# KiCad board matrix-7seg8-x02-x06.kicad_pcb (continued)
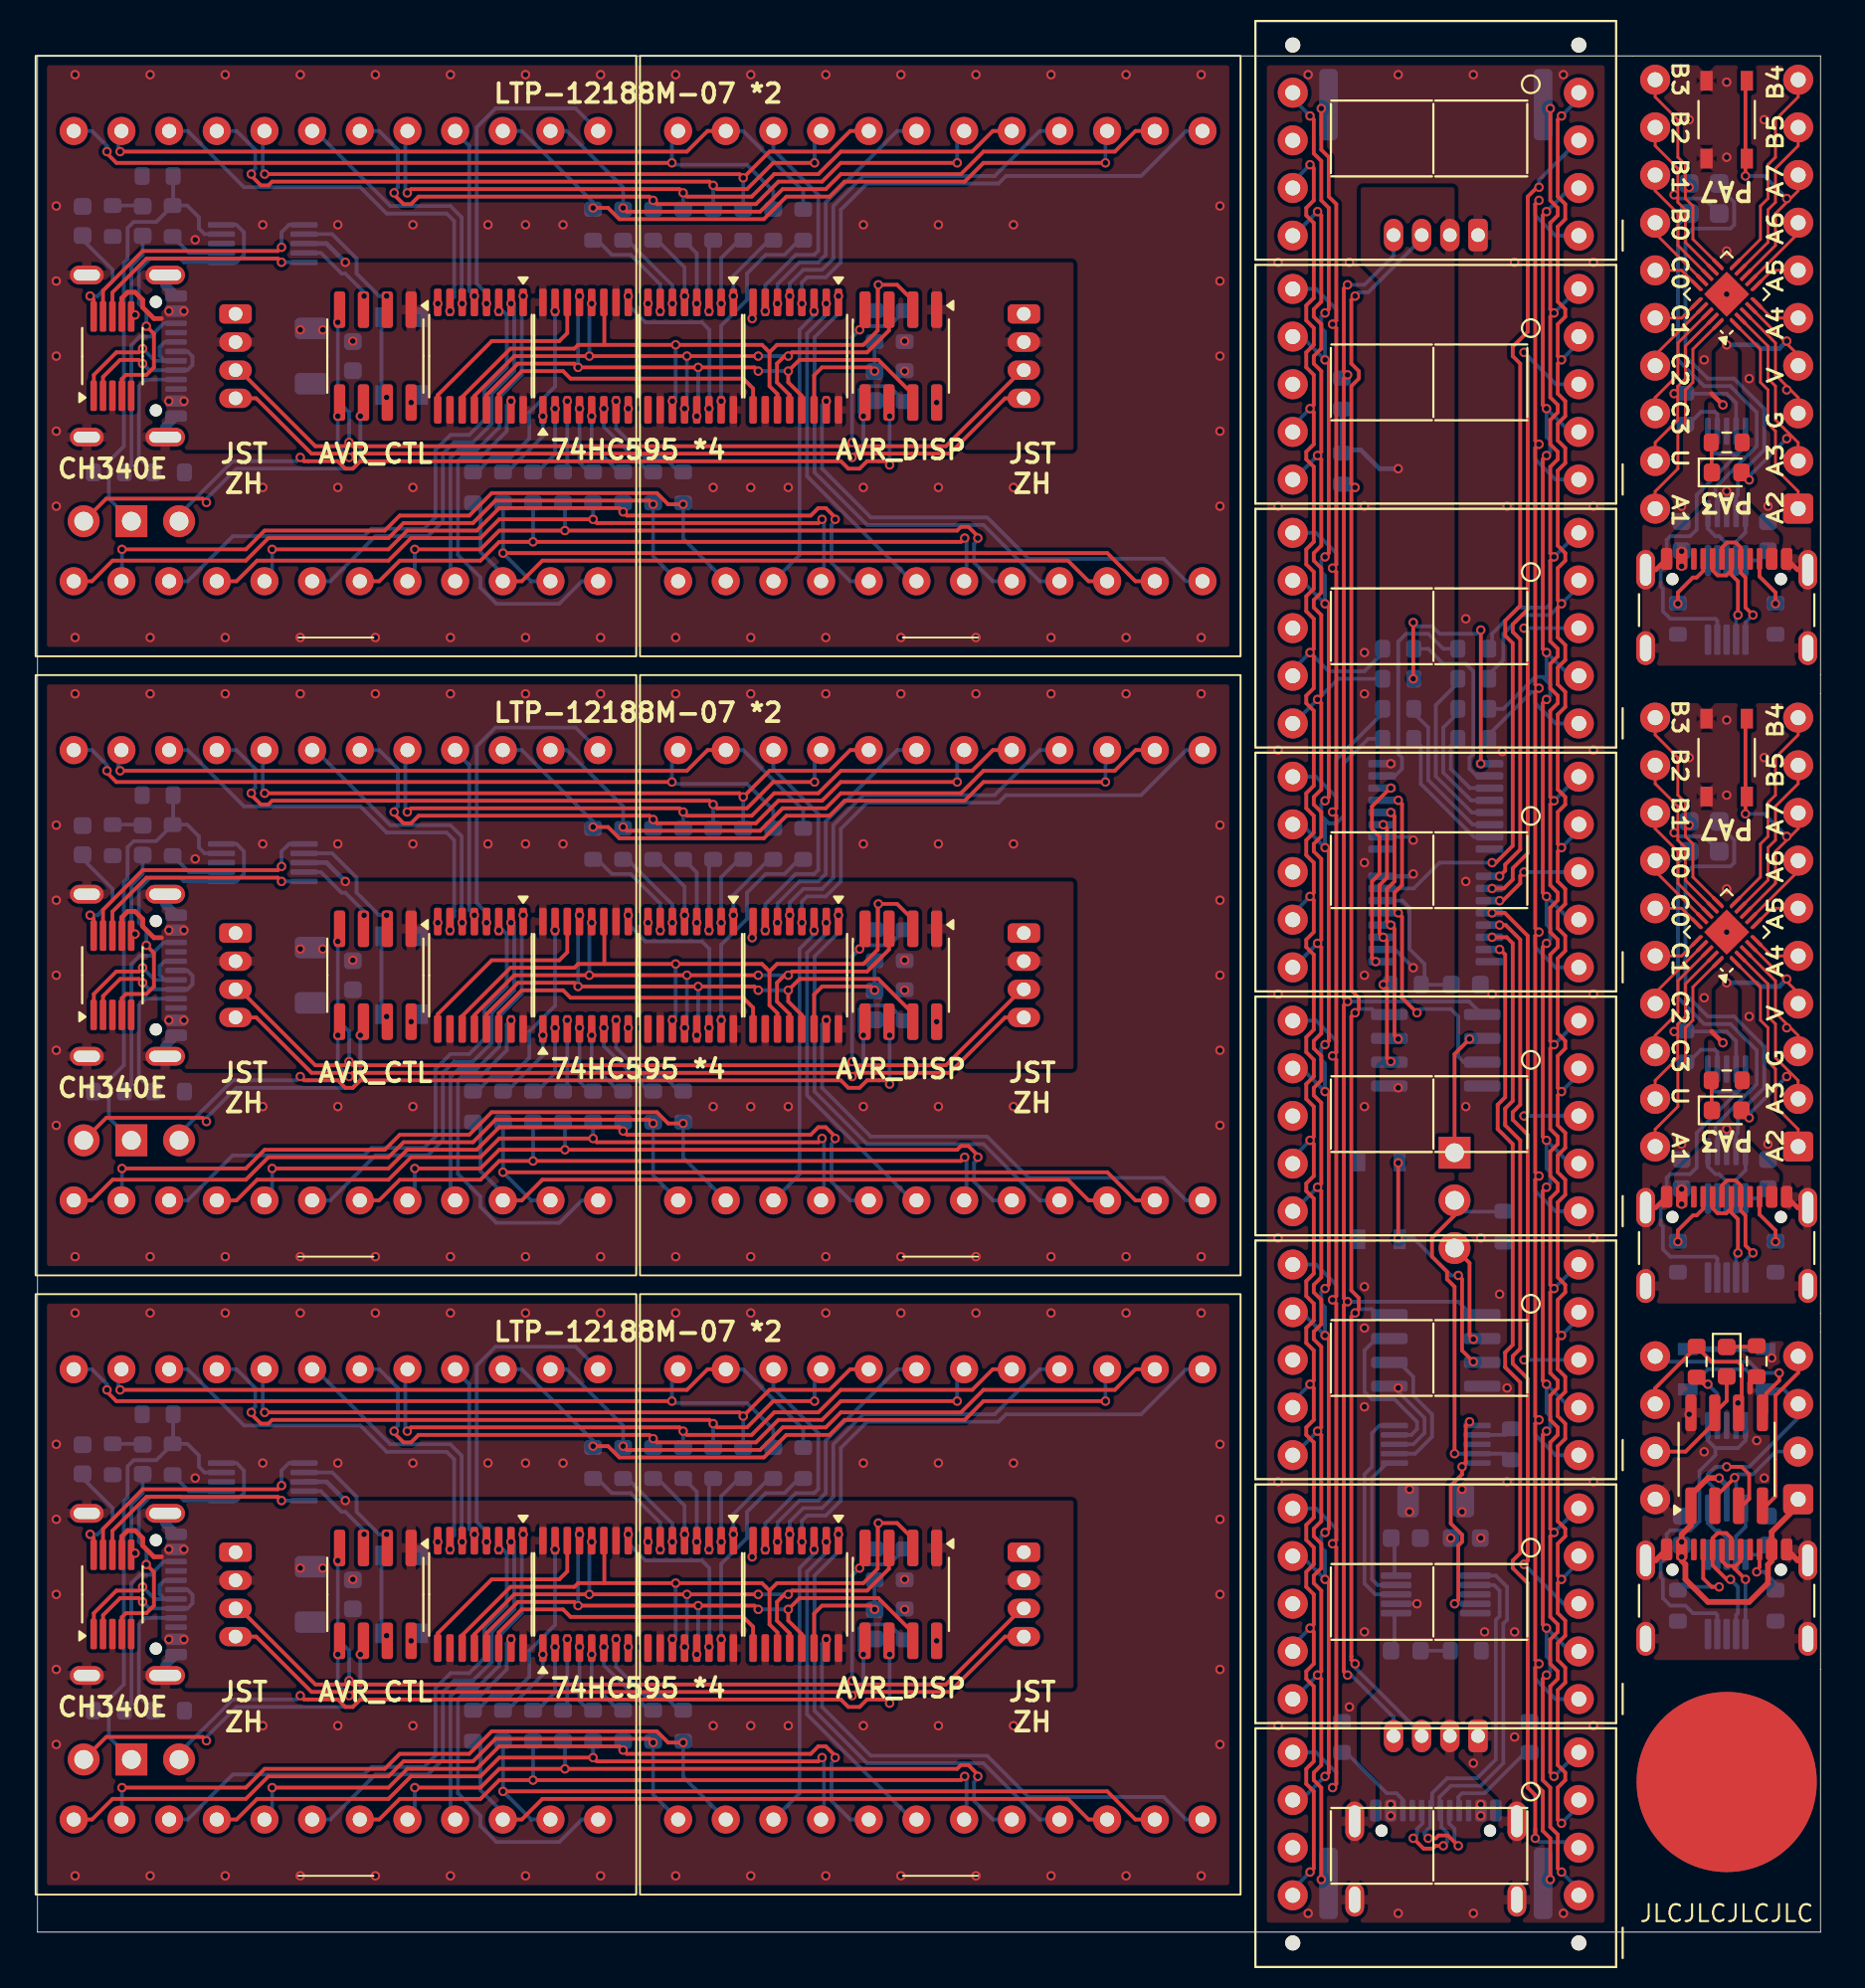
[diagram p0: board, top side]
## Routing (per net, layer and track width the routed paths; a pad name or vN(x,y) marks a point on that pad's centre or on a via; arc(x,y) is an arc through that point) (continued)
  Bottom w0.2: U5#4.5 82.08,35.58 v1(80.8,34.3) ; U9.5 82.08,87.58 v1(80.8,86.3) ; U6#4.5 82.08,48.58 v1(80.8,47.3) ; v1(80.8,8.3) 82.08,9.58 U3#2.5 ; U4.5 82.08,22.58 v1(80.8,21.3) ; U8#3.5 82.08,74.58 v1(80.8,73.3) 80.6,73.1 80.6,70.8 80.4,70.6 78.93,70.6 78.93,70.6 78.9,70.6 77.5,69.2 77.5,68.58 R8.2 ; U7.5 82.08,61.58 v1(80.8,60.3)
OE#: length 18.1
  Top w0.2: v1(72.5,60.33) 72.7,60.12 72.7,55.8 72.3,55.4 72.3,54.53 v1(72.5,54.33) 72.7,54.12 72.7,49.8 v1(73.5,49)
  Bottom w0.2: v1(73.5,49) 73.7,49.2 75.3,49.2 75.7,48.8 75.7,46.67 76,46.36 U11.7
PA1: length 31.1
  Top w0.15: U1#5.20 88.2,84.37 88.2,82.6 87.8,82.2 87.8,80.4 87.4,80 87.4,78 86.19,76.79 J1#2.20 ; U1#2.20 88.2,50.37 88.2,48.6 87.8,48.2 87.8,46.4 87.4,46 87.4,44 86.19,42.79 J1.20
  Top w0.2: J2#2.4 93.81,29.81 92.6,28.6 92.6,23.22 92.11,22.72
PA2: length 31.8
  Top w0.15: U1#5.1 91.8,84.37 91.8,82.6 92.2,82.2 92.2,80.4 92.6,80 92.6,78 93.81,76.79 J1#2.1 ; J1.1 93.81,42.79 92.6,44 92.6,46 92.2,46.4 92.2,48.2 91.8,48.6 91.8,50.37 U1#2.1
  Top w0.2: v1(92.8,29.8) 92.8,29.4 92.11,28.7 92.11,27.67
  Bottom w0.2: J2#2.5 86.48,30.4 91.2,30.4 91.8,29.8 v1(92.8,29.8)
PA3: length 31.4
  Top w0.15: U1#2.2 92.2,50.53 92.2,48.8 92.6,48.4 92.6,46.6 93.81,45.39 J1.2 ; U1#5.2 92.2,84.53 92.2,82.8 92.6,82.4 92.6,80.6 93.81,79.39 J1#2.2
  Top w0.2: J2#2.7 87.81,25.61 89.36,27.17 U1#4.7 90,28.31 D1#5.2 ; D1#3.2 90.8,43.8 v1(91.2,43.4) ; v1(91.2,77.4) 90.8,77.8 D1#2.2
  Bottom w0.2: v1(91.2,77.4) 91.2,77.6 v1(93.2,79.6) ; v1(93.2,45.6) 91.2,43.6 v1(91.2,43.4)
PA4: length 5.1
  Top w0.15: J1.5 92.4,52.03 U1#2.5 ; J1#2.5 92.4,86.03 U1#5.5
PA5: length 5.1
  Top w0.15: J1#2.6 92.4,88.57 U1#5.6 ; U1#2.6 92.4,54.57 J1.6
PA6: length 15.8
  Top w0.15: J1.7 93.81,56.54 U1#2.7 ; U1#5.7 93.81,90.54 J1#2.7
  Top w0.2: v1(90.42,24.22) 89.36,23.17 89.36,22.72
  Bottom w0.2: U3#5.7 90.5,24.15 v1(90.42,24.22) 90.6,24.4 91.4,24.4 92.61,25.61 J2#2.2
PA7: length 47.7
  Top w0.15: U1#5.8 92.6,89.9 92.6,91.6 93.81,92.81 J1#2.8 ; J1.8 93.81,58.81 92.6,57.6 92.6,55.9 U1#2.8
  Top w0.2: SW1#2.1 91,98.6 v1(91,93.6) ; 90.83,22.72 91.2,23.09 91.2,24.4 90.8,24.8 v1(90,24.8) ; SW1.1 91,64.6 v1(91,59.6)
  Bottom w0.2: v1(93.2,92.4) 92,93.6 v1(91,93.6) ; SW1#7.2 89,30 91,30 SW1#7.2 93.03,28.92 J2#2.3 93.81,27.41 91.2,24.8 89.4,24.8 89,24.4 89,24 89.5,23.5 U3#5.9 ; v1(91,59.6) 92,59.6 v1(93.2,58.4)
PB0: length 8.2
  Top w0.15: J1#2.14 86.19,90.54 U1#5.14 ; J1.14 86.19,56.54 U1#2.14
PB1: length 13
  Top w0.15: U1#2.13 87.4,55.9 87.4,57.6 86.19,58.81 J1.13 ; J1#2.13 86.19,92.81 87.4,91.6 87.4,89.9 U1#5.13
PB2: length 23.3
  Top w0.15: J1.12 86.19,61.21 87.4,60 87.4,58.2 87.8,57.8 87.8,56.07 U1#2.12 ; U1#5.12 87.8,90.07 87.8,91.8 87.4,92.2 87.4,94 86.19,95.21 J1#2.12
  Bottom w0.2: JP1#3.4 88.8,92.4 87.4,92.4 v1(87.2,92.6) ; JP1#2.4 88.8,58.4 87.4,58.4 v1(87.2,58.6)
PB3: length 22.5
  Top w0.15: U1#2.11 88.2,56.23 88.2,58 87.8,58.4 87.8,60.2 87.4,60.6 87.4,62.6 86.19,63.81 J1.11 ; U1#5.11 88.2,90.23 88.2,92 87.8,92.4 87.8,94.2 87.4,94.6 87.4,96.6 86.19,97.81 J1#2.11
  vias: v1(88,93) v1(88,59)
PB4: length 22.5
  Top w0.15: U1#5.10 91.8,90.23 91.8,92 92.2,92.4 92.2,94.2 92.6,94.6 92.6,96.6 93.81,97.81 J1#2.10 ; U1#2.10 91.8,56.23 91.8,58 92.2,58.4 92.2,60.2 92.6,60.6 92.6,62.6 93.81,63.81 J1.10
PB5: length 17.7
  Top w0.15: U1#2.9 92.2,56.07 92.2,57.8 92.6,58.2 92.6,60 93.81,61.21 J1.9 ; J1#2.9 93.81,95.21 92.6,94 92.6,92.2 92.2,91.8 92.2,90.07 U1#5.9
PC0: length 5.1
  Top w0.15: J1#2.15 87.6,88.57 U1#5.15 ; J1.15 87.6,54.57 U1#2.15
PC1: length 5.1
  Top w0.15: U1#5.16 87.6,86.03 J1#2.16 ; J1.16 87.6,52.03 U1#2.16
PC2: length 8.2
  Top w0.15: U1#2.17 86.19,50.06 J1.17 ; J1#2.17 86.19,84.06 U1#5.17
PC3: length 13
  Top w0.15: J1#2.18 86.19,81.79 87.4,83 87.4,84.7 U1#5.18 ; U1#2.18 87.4,50.7 87.4,49 86.19,47.79 J1.18
RCLK: length 12.6
  Top w0.2: v1(72.1,59.67) 72.3,59.48 72.3,56 71.9,55.6 71.9,53.88 v1(72.1,53.67) 72.3,53.47 72.3,47.8 v1(72.5,47.6)
RTS#: length 67.4
  Top w0.2: v1(75.5,17.5) 75.7,17.7 75.7,20.6 75.9,20.8 75.9,21.18 75.3,21.78 75.3,23.8 75.9,24.4 v1(75.9,24.8) 76.1,25 76.1,27 v1(76.3,27.2)
  Bottom w0.2: U3#5.1 89,26.2 89.4,25.8 ; U3#5.5 91,26.2 90.6,25.8 89.4,25.8 ; U3#7.1 89,45.2 89.4,44.8 90.6,44.8 ; U2#4.4 89.5,35.9 89.4,36 87,36 86.6,36.4 86.6,37.6 86.48,37.72 86.48,38.6 86.8,38.92 86.8,40.2 87,40.4 88.05,40.4 88.4,40.75 88.4,42.6 90.6,44.8 ; U2#6.4 89.5,69.9 89.4,70 87,70 86.6,70.4 86.6,71.6 86.48,71.72 86.48,72.6 86.8,72.92 86.8,74.2 87,74.4 88.05,74.4 88.4,74.75 88.4,76.6 90.6,78.8 ; v1(75.5,17.5) U12.4 ; 90.6,44.8 91,45.2 U3#7.5 ; 89.4,25.8 89.4,25.42 88.55,24.57 88.55,21.9 88.06,21.41 87,21.41 86.8,21.21 86.8,20 86.48,19.68 86.48,18.92 86.6,18.8 86.6,17.8 87,17.4 87.8,17.4 88.2,17 89.4,17 89.5,16.9 U2#7.4 ; 90.6,78.8 89.4,78.8 89,79.2 U3#6.1 ; 90.6,78.8 91,79.2 U3#6.5
RXD: length 8.1
  Bottom w0.2: U3#6.6 91,74.6 90.5,74.1 U2#6.9 ; U2#7.9 90.5,21.1 91,21.6 U3#5.6 ; U3#7.6 91,40.6 90.5,40.1 U2#4.9
RXD_CTL: length 9
  Bottom w0.2: U13.9 73.2,26.5 73.5,26.8 73.5,27.2 72.3,28.4 71.1,28.4 70.7,28.8 70.7,31 71.33,31.64 U14.3
RXD_USB: length 8.3
  Bottom w0.2: U13.6 71.9,25 71.1,24.2 71.1,18.8 71.4,18.5 U12.9
SCL: length 98.3
  Top w0.2: v1(69.8,13.7) 69.6,13.9 69.6,33.4 v1(69.8,33.6) 69.6,33.8 69.6,49.4 v1(69.8,49.6) 69.6,49.8 69.6,82.8 v1(69.8,83) 69.6,83.2 69.6,87.6 v1(69.8,87.8)
  Bottom w0.2: v1(69.8,33.6) 75.7,33.6 76.39,32.91 U14.5 ; v1(69.8,49.6) 76.28,49.6 U11.5 ; v1(69.8,87.8) 70.7,87.8 72.25,89.35 J2#7.4 ; J3#2.4 72.25,11.45 70,13.7 v1(69.8,13.7)
SDA: length 89.4
  Top w0.2: v1(70.2,14.3) 70,14.5 70,14.7 70,14.7 70,32.8 v1(70.2,33) 70.4,33.2 70.4,33.8 70,34.2 70,48.8 v1(70.2,49) 70.4,49.2 70.4,49.8 70,50.2 70,76.8 v1(70.2,77) 70,77.2 70,82.4 70.4,82.8 70.4,83.2 70,83.6 70,87 v1(70.2,87.2)
  Bottom w0.2: v1(70.2,77) 69.67,77 R14.2 ; v1(70.2,33) 70.4,33.2 71.1,33.2 71.39,32.91 U14.4 ; v1(70.2,14.3) 70.2,14.1 73.75,10.55 J3#2.3 ; J2#7.3 73.75,90.25 70.9,87.4 70.4,87.4 v1(70.2,87.2) ; U11.4 71.39,48.91 71.1,49.2 70.4,49.2 v1(70.2,49)
SER: length 7.9
  Bottom w0.2: U1#7.14 72.72,54.97 73.1,54.6 73.1,52.4 73.9,51.6 73.9,50.8 73.6,50.5 C1#6.1
SRCLK: length 13.3
  Top w0.2: v1(72.1,46.4) 71.9,46.6 71.9,50.3 v1(71.7,50.5) 71.9,50.7 71.9,52.83 v1(71.7,53.03) 71.5,53.22 71.5,55.8 71.9,56.2 71.9,58.83 v1(71.7,59.02)
TXD: length 9.1
  Bottom w0.2: U2#6.8 90,74 89.6,74.4 89.4,74.4 89,74.8 U3#6.10 ; U2#7.8 90,21 89.6,21.4 89.4,21.4 89,21.8 U3#5.10 ; U2#4.8 90,40 89.6,40.4 89.4,40.4 89,40.8 U3#7.10
TXD_CTL: length 7.6
  Bottom w0.2: U13.7 73.4,25.5 74.3,26.4 74.3,27.6 73.3,28.6 73.3,29.6 72.53,30.36 U14.2
TXD_USB: length 11.5
  Bottom w0.2: U12.8 71.28,18 70.7,18.58 70.7,24.4 71.1,24.8 71.1,26.6 71.5,27 U13.10
UPDI: length 131
  Top w0.15: U1#2.19 87.8,50.53 87.8,48.8 87.39,48.39 87.39,46.59 86.19,45.39 J1.19 ; U1#5.19 87.8,84.53 87.8,82.8 87.39,82.39 87.39,80.59 86.19,79.39 J1#2.19
  Top w0.2: J2#2.6 86.19,28.99 88.4,31.2 ; v1(90.6,28.2) 90.8,28.4 90.8,30.2 90.6,30.4 89.2,30.4 88.4,31.2 ; v1(75.5,25.5) 75.5,34.4 75.1,34.8 75.1,35.2 74.3,36 74.3,37 75.5,38.2 JP1#6.2 ; 88.4,31.2 88.4,31.22
  Bottom w0.2: U3#7.4 90.5,47.5 90,48 87.83,48 R5.2 ; R20.2 7.98,26.03 8.6,25.4 8.6,24.8 8.9,24.5 U7#2.4 ; R20.2 7.23,26.05 R24#2.2 ; R20.2 6.33,25.15 5.12,25.15 4.8,24.83 4.8,23.17 4.6,22.97 4.6,13.2 3.8,12.4 3.8,10.4 JP1#5.2 ; R13.2 78.17,25.5 U13.4 v1(75.5,25.5) ; R20#3.2 7.98,92.03 8.6,91.4 8.6,90.8 8.9,90.5 U7#4.4 ; R20#3.2 7.23,92.05 R24.2 ; R20#3.2 6.33,91.15 5.12,91.15 4.8,90.83 4.8,89.17 4.6,88.97 4.6,79.2 3.8,78.4 3.8,76.4 JP1.2 ; R16#2.1 78.08,38.4 76.1,38.4 JP1#6.2 ; v1(90.6,28.2) 90.5,28.1 U3#5.4 ; 87.8,82.03 87.83,82 90,82 90.5,81.5 U3#6.4 ; 7.2,59.02 7.23,59.05 R24#3.2 ; 7.2,59.02 7.98,59.02 8.6,58.4 8.6,57.8 8.9,57.5 U7#3.4 ; 7.2,59.02 6.33,58.15 5.12,58.15 4.8,57.83 4.8,56.17 4.6,55.97 4.6,46.2 3.8,45.4 3.8,43.4 JP1#4.2
  vias: v1(87.2,82) v1(87.2,48)
UPDI_CTL: length 61.5
  Top w0.2: v1(9,10.2) 8.8,10.4 3.66,10.4 JP1#5.3 ; v1(9,43.2) 8.8,43.4 3.66,43.4 JP1#4.3 ; v1(9,76.2) 8.8,76.4 3.66,76.4 JP1.3 ; v1(76.5,31.6) 76.3,31.8 76.3,35.66 JP1#6.3
  Bottom w0.2: v1(17.2,14.8) 17.2,12.42 16.78,12 10.6,12 9,10.4 v1(9,10.2) ; v1(17.2,47.8) 17.2,45.42 16.78,45 10.6,45 9,43.4 v1(9,43.2) ; v1(9,76.2) 9,76.4 10.6,78 16.78,78 17.2,78.42 v1(17.2,80.8)
UPDI_DISP: length 135.1
  Top w0.2: JP1#6.1 75.5,46.8 v1(76.3,47.6) ; v1(14,12.6) 14.2,12.4 14.43,12.4 14.43,12.4 16,12.4 16.4,12 16.8,12 17.2,12.4 42.8,12.4 43.2,12 43.8,12 44.2,12.4 44.83,12.4 44.83,12.4 45.2,12.4 v1(45.4,12.2) ; v1(45.4,78.2) 45.2,78.4 44.83,78.4 44.83,78.4 44.2,78.4 43.8,78 43.2,78 42.8,78.4 17.2,78.4 16.8,78 16.4,78 16,78.4 14.43,78.4 14.43,78.4 14.2,78.4 v1(14,78.6) ; v1(14,45.6) 14.2,45.4 14.43,45.4 14.43,45.4 16,45.4 16.4,45 16.8,45 17.2,45.4 42.8,45.4 43.2,45 43.8,45 44.2,45.4 44.83,45.4 44.83,45.4 45.2,45.4 v1(45.4,45.2)
  Bottom w0.2: JP1#4.1 7.54,42.54 10.4,45.4 13.8,45.4 v1(14,45.6) ; JP1.1 7.54,75.54 10.4,78.4 13.8,78.4 v1(14,78.6) ; v1(14,12.6) 13.8,12.4 10.4,12.4 7.54,9.54 JP1#5.1 ; v1(45.4,47.8) v1(45.4,45.2) ; v1(45.4,80.8) v1(45.4,78.2) ; v1(45.4,14.8) v1(45.4,12.2)
Net-(D1-K): length 4.9
  Top w0.2: R6.1 89.2,45.38 89.2,43.81 D1#3.1 ; R1.1 91.55,31.2 90.01,31.2 D1#5.1 ; D1#2.1 89.2,77.81 89.2,79.38 R6#2.1
Net-(D3-K): length 6.4
  Bottom w0.2: D3#4.1 5.56,59.02 4,59.02 ; R21#3.2 5.56,26.03 D3#2.1 ; D3#3.1 75.28,15 ; D3.1 5.56,92.03 R21#2.2
Net-(J2-CC1): length 6.2
  Top w0.2: v1(87.4,36.8) 87.4,37.4 88.2,38.2 88.4,38.2 88.75,38.55 J2#3.A5 ; J2.A5 88.75,72.55 88.4,72.2 88.2,72.2 87.4,71.4 v1(87.4,70.8)
  Bottom w0.2: v1(87.4,36.8) R1#3.1 ; v1(87.4,70.8) R1#4.1
Net-(J2-CC2): length 5.5
  Top w0.2: J2.B5 91.75,72.25 92.6,71.4 v1(92.6,70.8) ; J2#3.B5 91.75,38.25 92.6,37.4 v1(92.6,36.8)
Net-(J3-CC1): length 26
  Top w0.2: v1(89.6,18.4) 89.2,18.4 88.75,18.85 J3.A5
  Bottom w0.2: R22.2 5.4,45.58 5.4,49.4 5.75,49.75 J3#3.A5 ; R22#2.2 5.4,78.58 5.4,82.4 5.75,82.75 J3#4.A5 ; J3#5.A5 5.75,16.75 5.4,16.4 5.4,12.58 R22#3.2 ; 87.4,18.22 87.58,18.4 v1(89.6,18.4)
Net-(J3-CC2): length 32.3
  Top w0.2: J3.B5 91.75,19.45 91.6,19.3 v1(91.6,19.2)
  Bottom w0.2: v1(91.6,19.2) 92,19.2 92.6,18.6 92.6,18.22 ; J3#4.B5 6.73,85.75 6.02,85.04 5.44,85.04 5,84.6 5,78.17 R23#3.2 ; J3#3.B5 6.73,52.75 6.02,52.04 5.44,52.04 5,51.6 5,45.17 R23.2 ; R23#2.2 5,12.17 5,18.6 5.44,19.04 6.02,19.04 6.73,19.75 J3#5.B5
Net-(J4-CC1): length 5.5
  Bottom w0.2: J4.A5 75.7,6.53 75.7,7.2 75.9,7.4 77.1,7.4 79.28,9.58 R10#3.1
Net-(J4-CC2): length 4.9
  Bottom w0.2: R11#3.1 69.72,9.58 71.89,7.4 72.4,7.4 72.75,7.05 J4.B5
Net-(JP1-Pad1): length 39.5
  Bottom w0.2: JP1#2.1 87.4,57 87.4,49.8 88.8,48.4 90.2,48.4 91.6,47 91.6,45.2 89.4,43 89.4,42.6 89.5,42.5 U3#7.9 ; U3#6.9 89.5,76.5 89.4,76.6 89.4,77 91.6,79.2 91.6,81 90.2,82.4 88.8,82.4 87.4,83.8 87.4,91 JP1#3.1
Net-(JP1-Pad3): length 46.7
  Bottom w0.2: JP1#3.3 89.6,93 90.4,92.2 90.4,91 90.2,90.8 88.49,90.8 88.2,90.8 87.8,90.4 87.8,84 89,82.8 90.37,82.8 90.37,82.8 90.4,82.8 92,81.2 92,81.17 92,81.17 92,79.03 92,79.03 92,79 90.6,77.6 90.6,76.6 90.5,76.5 U3#6.7 ; JP1#2.3 89.6,59 90.4,58.2 90.4,57 90.2,56.8 88.49,56.8 88.2,56.8 87.8,56.4 87.8,50 89,48.8 90.37,48.8 90.37,48.8 90.4,48.8 92,47.2 92,47.17 92,47.17 92,45.03 92,45.03 92,45 90.6,43.6 90.6,42.6 90.5,42.5 U3#7.7
Net-(R2-Pad1): length 3.2
  Top w0.2: R2.1 88.42,29.58 88.8,29.2 v1(89,29.2)
  Bottom w0.2: v1(89,29.2) 89.5,28.7 U3#5.2
Net-(R5-Pad1): length 5.8
  Bottom w0.2: R5.1 87.97,46.38 88.63,47.03 89.37,47.03 89.5,46.9 U3#7.2 ; R5#3.1 87.97,80.38 88.63,81.03 89.37,81.03 89.5,80.9 U3#6.2
Net-(R13-Pad1): length 1.9
  Bottom w0.2: R13.1 78.17,26.5 U13.2
Net-(R20-Pad1): length 8.9
  Bottom w0.2: U7#2.2 8.07,23.5 R20.1 ; U7#3.2 8.07,56.5 R20#2.1 ; R20#3.1 8.07,89.5 U7#4.2
Net-(U1-QA): length 33.3
  Bottom w0.2: R1#7.1 40.58,24.17 39.8,23.4 38.8,23.4 37.8,22.4 37.8,21 36.42,19.62 v1(36.42,15.6) ; v1(36.42,81.6) 36.42,85.62 37.8,87 37.8,88.4 38.8,89.4 39.8,89.4 40.58,90.17 R1#5.1 ; R1#2.1 40.58,57.17 39.8,56.4 38.8,56.4 37.8,55.4 37.8,54 36.42,52.62 v1(36.42,48.6)
Net-(U1-QB): length 12
  Bottom w0.2: v1(37.08,54.2) 37.08,55.28 38.98,57.17 R2#5.1 ; R2#3.1 38.98,90.17 37.08,88.28 v1(37.08,87.2) ; R2#2.1 38.98,24.17 37.08,22.28 v1(37.08,21.2)
Net-(U1-QC): length 12
  Bottom w0.2: R3#2.1 37.38,24.17 36.42,23.22 v1(36.42,20.8) ; v1(36.42,53.8) 36.42,56.23 37.38,57.17 R3#5.1 ; v1(36.42,86.8) 36.42,89.22 37.38,90.17 R3.1
Net-(U1-QD): length 11.6
  Bottom w0.2: v1(35.77,20.4) 35.77,23.95 R4#5.1 ; R4#3.1 35.77,89.95 v1(35.77,86.4) ; v1(35.77,53.4) 35.77,56.95 R4.1
Net-(U1-QE): length 11.1
  Bottom w0.2: v1(35.12,53.8) 35.12,56.48 34.42,57.17 R5#2.1 ; R5#6.1 34.42,24.17 35.12,23.47 v1(35.12,20.8) ; R5#4.1 34.42,90.17 35.12,89.47 v1(35.12,86.8)
Net-(U1-QF): length 11.4
  Bottom w0.2: v1(34.48,21.2) 34.48,22.72 33.02,24.17 R6#5.1 ; R6#3.1 33.02,57.17 34.48,55.72 v1(34.48,54.2) ; R6#4.1 33.02,90.17 34.48,88.72 v1(34.48,87.2)
Net-(U1-QG): length 13.8
  Bottom w0.2: R7#3.1 31.42,57.17 33.83,54.78 v1(33.83,53.8) ; R7.1 31.42,90.17 33.83,87.78 v1(33.83,86.8) ; R7#2.1 31.42,24.17 33.83,21.78 v1(33.83,20.8)
Net-(U1-QH): length 17.9
  Bottom w0.2: R8#3.1 29.83,57.17 30.6,56.4 31.6,56.4 33.17,54.83 v1(33.17,53.4) ; v1(33.17,86.4) 33.17,87.83 31.6,89.4 30.6,89.4 29.83,90.17 R8#2.1 ; R8#4.1 29.83,24.17 30.6,23.4 31.6,23.4 33.17,21.83 v1(33.17,20.4)
Net-(U1-SER): length 28.7
  Bottom w0.2: v1(35.77,81.2) 35.8,81.22 35.8,85.4 35.4,85.8 32.4,85.8 31.48,86.72 v1(31.48,87.2) ; v1(35.77,15.2) 35.8,15.22 35.8,19.4 35.4,19.8 32.4,19.8 31.48,20.72 v1(31.48,21.2) ; v1(35.77,48.2) 35.8,48.22 35.8,52.4 35.4,52.8 32.4,52.8 31.48,53.72 v1(31.48,54.2)
Net-(U2-QA): length 33.3
  Bottom w0.2: R16#4.1 23.42,44.83 24.2,45.6 25.2,45.6 26.2,46.6 26.2,48 27.58,49.38 v1(27.58,53.4) ; R16.1 23.42,77.83 24.2,78.6 25.2,78.6 26.2,79.6 26.2,81 27.58,82.38 v1(27.58,86.4) ; v1(27.58,20.4) 27.58,16.38 26.2,15 26.2,13.6 25.2,12.6 24.2,12.6 23.42,11.83 R16#3.1
Net-(U2-QB): length 12
  Bottom w0.2: R15#3.1 25.02,44.83 26.92,46.72 v1(26.92,47.8) ; R15#2.1 25.02,11.83 26.92,13.72 v1(26.92,14.8) ; v1(26.92,80.8) 26.92,79.72 25.02,77.83 R15.1
Net-(U2-QC): length 12
  Bottom w0.2: R14#2.1 26.62,77.83 27.58,78.78 v1(27.58,81.2) ; R14#3.1 26.62,11.83 27.58,12.78 v1(27.58,15.2) ; R14#4.1 26.62,44.83 27.58,45.78 v1(27.58,48.2)
Net-(U2-QD): length 11.6
  Bottom w0.2: R13#2.1 28.23,12.05 v1(28.23,15.6) ; R13#3.1 28.23,45.05 v1(28.23,48.6) ; R13#4.1 28.23,78.05 v1(28.23,81.6)
Net-(U2-QE): length 11.4
  Bottom w0.2: R12#2.1 29.38,77.83 28.88,78.33 v1(28.88,81.2) ; R12#3.1 29.38,11.83 28.88,12.33 v1(28.88,15.2) ; R12#4.1 29.38,44.83 28.88,45.33 v1(28.88,48.2)
Net-(U2-QF): length 11.4
  Bottom w0.2: R11#2.1 30.98,11.83 29.52,13.28 v1(29.52,14.8) ; v1(29.52,47.8) 29.52,46.28 30.98,44.83 R11.1 ; v1(29.52,80.8) 29.52,79.28 30.98,77.83 R11#4.1
Net-(U2-QG): length 13.8
  Bottom w0.2: R10#4.1 32.58,11.83 30.17,14.22 v1(30.17,15.2) ; v1(30.17,81.2) 30.17,80.22 32.58,77.83 R10.1 ; v1(30.17,48.2) 30.17,47.22 32.58,44.83 R10#2.1
Net-(U2-QH): length 18
  Bottom w0.2: R9#4.1 34.17,77.83 33.4,78.6 32.37,78.6 30.83,80.14 v1(30.83,81.6) ; v1(30.83,48.6) 30.83,47.14 32.37,45.6 33.4,45.6 34.17,44.83 R9#3.1 ; v1(30.83,15.6) 30.83,14.14 32.37,12.6 33.4,12.6 34.17,11.83 R9#2.1
Net-(U2-SER): length 32.1
  Top w0.2: U3.9 21.33,48.92 24.2,51.8 27.8,51.8 28.23,52.22 U2.14 ; U3#4.9 21.33,81.92 24.2,84.8 27.8,84.8 28.23,85.22 U2#3.14 ; U2#2.14 28.23,19.22 27.8,18.8 24.2,18.8 21.33,15.92 U3#3.9
Net-(U2-V3): length 4.2
  Bottom w0.2: C2#5.1 91.69,73.11 U2#6.10 ; C2.1 91.69,20.11 U2#7.10 ; U2#4.10 91.69,39.11 C2#3.1
Net-(U3-SER): length 49.2
  Top w0.2: U3.14 24.58,48.97 25.8,50.2 28,50.2 28.4,49.8 37.6,49.8 38.12,49.28 U4#4.9 ; U3#4.14 24.58,81.97 25.8,83.2 28,83.2 28.4,82.8 37.6,82.8 38.12,82.28 U4#2.9 ; U3#3.14 24.58,15.97 25.8,17.2 28,17.2 28.4,16.8 37.6,16.8 38.12,16.28 U4#3.9

## Copper pours and planes (outline as drawn; the poured copper is in the pictures)
GND on Top: 84,32 84,40.6 88,48.6 88,50.6 88.8,51.4 88.8,55.2 88,56 88,58 84,66 84,67 96,67 96,66 92,58 92,56 91.2,55.2 91.2,51.4 92,50.6 92,48.6 96,40.6 96,32
GND on Top: 84,66 84,74.6 88,82.6 88,84.6 88.8,85.4 88.8,89.2 88,90 88,92 84,100 84,101 96,101 96,100 92,92 92,90 91.2,89.2 91.2,85.4 92,84.6 92,82.6 96,74.6 96,66
GND on Top, Bottom: 64.75,-0.25 84.25,-0.25 84.25,100.25 64.75,100.25
GND on Top, Bottom: -1,35 -1,1 65,1 65,35
GND on Top, Bottom: -1,68 -1,34 65,34 65,68
GND on Top, Bottom: 84,12 84,33 96,33 96,12
GND on Top, Bottom: -1,101 -1,67 65,67 65,101
GND on Bottom: 84,66 84,101 96,101 96,66
GND on Bottom: 84,32 84,67 96,67 96,32
VCC on Top: 6.6,46 55.2,46 55.2,56 6.6,56
VCC on Top: 87.2,39.2 92.8,39.2 92.8,40.4 91,42.2 91,47.6 90.6,48 90.6,50.2 90,50.8 89.4,50.2 89.4,48 89,47.6 89,42.2 87.2,40.4
VCC on Top: 6.6,13 55.2,13 55.2,23 6.6,23
VCC on Top: 6.6,79 55.2,79 55.2,89 6.6,89
VCC on Top: 70.5,12 71.5,13 71.5,88 70.5,89 70.5,93 75.5,93 75.5,9.2 77.7,7 77.7,5 71.5,5 71.5,7.99 70.5,9
VCC on Top: 87.2,73.2 92.8,73.2 92.8,74.4 91,76.2 91,81.6 90.6,82 90.6,84.2 90,84.8 89.4,84.2 89.4,82 89,81.6 89,76.2 87.2,74.4
VCC on Bottom: 87,37.6 90,37.6 90,40.4 87,40.4
VCC on Bottom: 87,21.6 87,18.6 90,18.6 90,21.6
VCC on Bottom: 87,71.6 90,71.6 90,74.4 87,74.4

## Text on the board
B.Mask: TS5A / 23159 | 4k7 | 1u | TS5A23159 | UART | 0u1 | CH340E | tinyAVR X06 | matrix x2 / dev board | 7seg *8 / REV3
B.Silkscreen: 4k7 | 10k | PA7 | NC(U2G) | 0u1 | 10n | 1k | DISP U CTL | C_VCC *2 | TS5A / 23159 | PA3 | 1 / 2 / 3 / ... | ... 3RG 2RG 1RG | 8RG 7RG 6RG ... | R_LED / *16 | RC / SER | I2C / PULLUP | G V D C | 0u1 / 10k / LED / 4k7 | > 87654321 dGFEDCBA | CH / 340E | R_LED / 100R *8 | 74HC595 *2 | AVR_DISP | <=UPDI=> | AVR_CTL | C_VCC / *2 | SER / RC | TNOW | C_V3 | GVDC | B|A | > 4G 4R 3G 3R 2G 2R 1G 1R / _ 5R 5G 6R 6G 7R 7G 8R 8G / _ A1 A2 A3 A4 A5 A6 A7 A8 / _ B1 B2 B3 B4 B5 B6 B7 B8
F.Mask: 4k7 | 10k | ATtnX02 | tinyAVR X02 / @McbeEringi
F.Silkscreen: JLCJLCJLCJLC | B3 B2 B1 B0 C0 C1 C2 C3 U  A1 | A2 A3 G  V  A4 A5 A6 A7 B5 B4 | CH340E | JST / ZH | AVR_CTL | LTP-12188M-07 *2 | 74HC595 *4 | AVR_DISP | PA7 | PA3
